# KiCad board Commodore-Vic-20.kicad_pcb
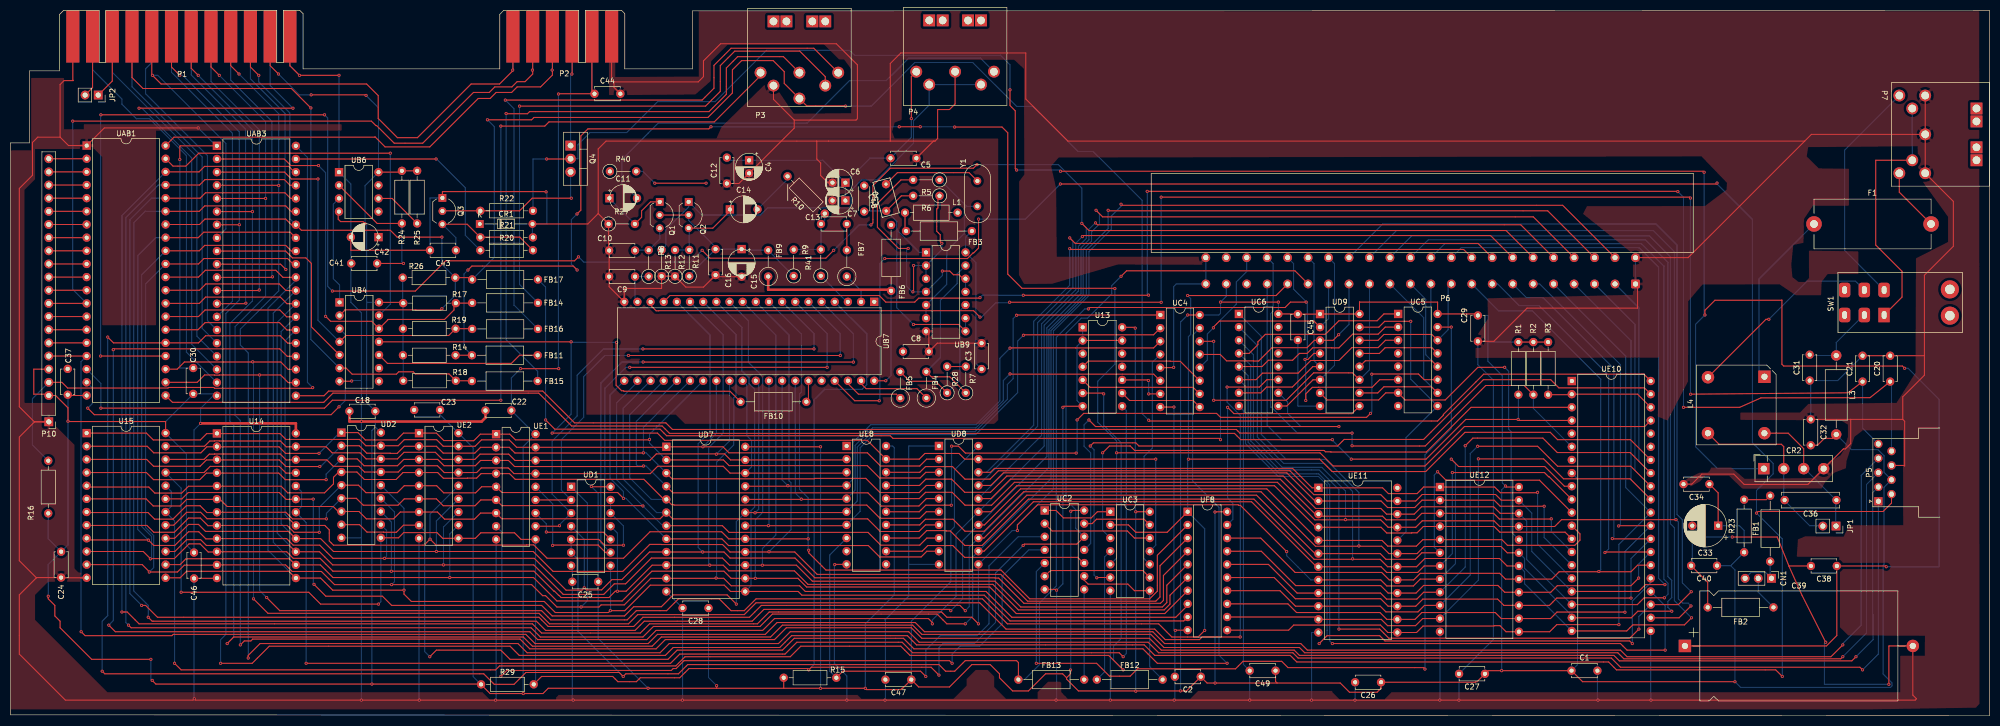
[diagram p0: board, top side]
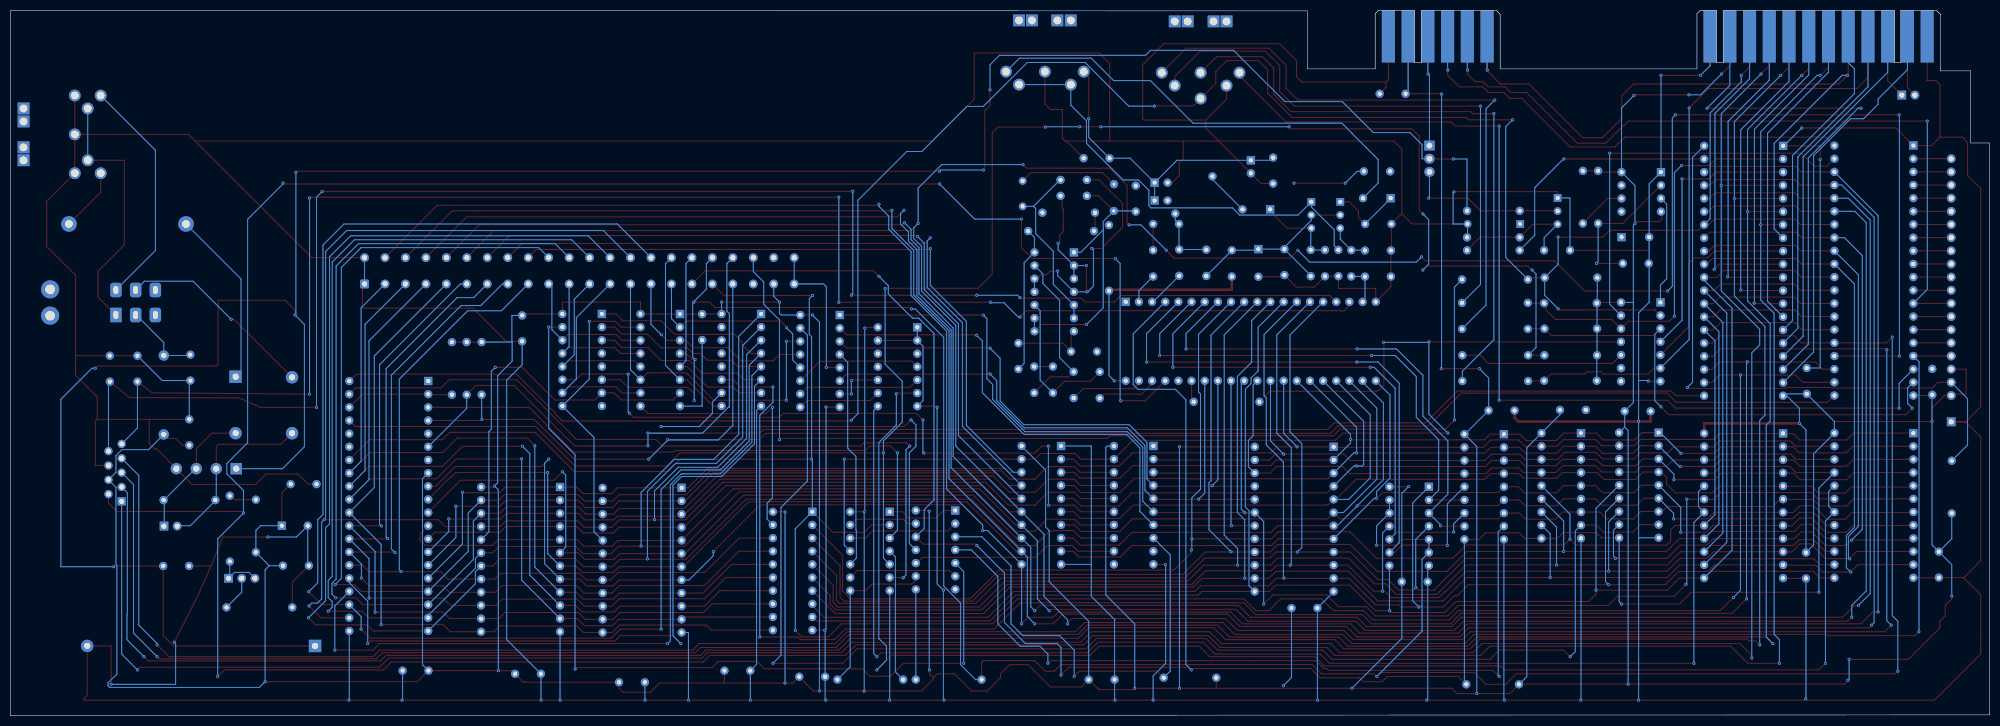
[diagram p1: board, bottom side, seen from below]

Outline 382.12 x 136.19 mm; copper layers: Top, Bottom. Coordinates in mm from the lower left corner of the outline.
Outline path: 9.52,124.89 9.52,124.51 3.66,124.51 3.66,110.59 0,110.59 0,0.15 382.12,0 382.12,136.14 131.72,136.09 131.72,124.89 118.62,124.89 ; 56.51,124.89 94.49,124.89

## Placement (name value [footprint] x y rotation side)
C1  100n  [C_Disc_D4.7mm_W2.5mm_P5.00mm]  301.4 8.69 0 top
C2  100n  [C_Disc_D4.7mm_W2.5mm_P5.00mm]  229.82 7.52 180 top
C3  100n  [C_Disc_D4.7mm_W2.5mm_P5.00mm]  187.5 66.93 90 top
C4  2u2  [CP_Radial_D5.0mm_P2.50mm]  142.62 107.24 270 top
C5  470n  [C_Disc_D4.7mm_W2.5mm_P5.00mm]  169.92 107.65 0 top
C6  470n  [CP_Radial_D5.0mm_P2.50mm]  161.21 102.92 180 top
C7  2u2  [CP_Radial_D5.0mm_P2.50mm]  161.21 99.47 180 top
C8  100n  [C_Disc_D4.7mm_W2.5mm_P5.00mm]  172.33 70.31 0 top
C9  100n  [C_Disc_D4.7mm_W2.5mm_P5.00mm]  120.6 84.79 180 top
C10  100n  [C_Disc_D4.7mm_W2.5mm_P5.00mm]  120.6 89.83 180 top
C11  1u  [CP_Radial_D5.0mm_P5.0mm]  115.67 99.92 0 top
C12  100n  [C_Disc_D4.7mm_W2.5mm_P5.00mm]  138.33 102.76 90 top
C13  220p  [C_Disc_D4.7mm_W2.5mm_P5.00mm]  156.49 94.95 0 top
C14  47u  [CP_Radial_D5.0mm_P5.0mm]  138.94 97.76 0 top
C15  10u  [CP_Radial_D5.0mm_P5.0mm]  141.17 90.07 270 top
C16  100n  [C_Disc_D4.7mm_W2.5mm_P5.00mm]  136.14 90.08 270 top
C18  100n  [C_Disc_D4.7mm_W2.5mm_P5.00mm]  70.46 58.78 180 top
C20  10n  [C_Disc_D4.7mm_W2.5mm_P5.00mm]  362.92 64.51 90 top
C21  10n  [C_Disc_D4.7mm_W2.5mm_P5.00mm]  357.58 64.51 90 top
C22  100n  [C_Disc_D4.7mm_W2.5mm_P5.00mm]  96.72 58.93 180 top
C23  100n  [C_Disc_D4.7mm_W2.5mm_P5.00mm]  82.96 59.03 180 top
C24  100n  [C_Disc_D4.7mm_W2.5mm_P5.00mm]  9.8 31.66 270 top
C25  100n  [C_Disc_D4.7mm_W2.5mm_P5.00mm]  113.49 25.86 180 top
C26  100n  [C_Disc_D4.7mm_W2.5mm_P5.00mm]  264.62 6.45 180 top
C27  100n  [C_Disc_D4.7mm_W2.5mm_P5.00mm]  284.68 8.08 180 top
C28  100n  [C_Disc_D4.7mm_W2.5mm_P5.00mm]  134.78 20.78 180 top
C29  100n  [C_Disc_D4.7mm_W2.5mm_P5.00mm]  283.31 77.28 270 top
C30  100n  [C_Disc_D4.7mm_W2.5mm_P5.00mm]  35.31 62.13 90 top
C31  220n  [C_Disc_D4.7mm_W2.5mm_P5.00mm]  347.37 64.71 90 top
C32  220n  [C_Disc_D4.7mm_W2.5mm_P5.00mm]  347.57 57.21 270 top
C33  100u  [CP_Radial_D8.0mm_P5.00mm]  329.71 36.68 180 top
C34  220n  [C_Disc_D4.7mm_W2.5mm_P5.00mm]  328.02 44.7 180 top
C36  220n  [C_Rect_L11.0mm_W2.8mm_P10.00mm_MKT]  352.54 41.62 180 top
C37  100n  [C_Disc_D4.7mm_W2.5mm_P5.00mm]  11.07 61.97 90 top
C38  100n  [C_Disc_D4.7mm_W2.5mm_P5.00mm]  352.61 28.91 180 top
C39  220u  [CP_Axial_L38.0mm_D21.0mm_P44.00mm_Horizontal]  323.29 13.46 0 top
C40  100n  [C_Disc_D4.7mm_W2.5mm_P5.00mm]  329.49 28.96 180 top
C41  100n  [C_Disc_D4.7mm_W2.5mm_P5.00mm]  70.82 87.33 180 top
C42  10u  [CP_Radial_D5.0mm_P5.0mm]  71.04 92.41 180 top
C43  10n  [C_Disc_D4.7mm_W2.5mm_P5.00mm]  86.02 89.87 180 top
C44  100n  [C_Disc_D4.7mm_W2.5mm_P5.00mm]  112.77 120.09 0 top
C45  100n  [C_Disc_D4.7mm_W2.5mm_P5.00mm]  248.56 77.53 270 top
C46  100n  [C_Disc_D4.7mm_W2.5mm_P5.00mm]  35.46 31.5 270 top
C47  100n  [C_Disc_D4.7mm_W2.5mm_P5.00mm]  173.94 6.96 180 top
C48  20P  [RV_Disc_D7mm_W3.4mm_P5mm]  169.05 102.63 285 top
C49  100n  [C_Disc_D4.7mm_W2.5mm_P5.00mm]  244.26 8.69 180 top
C50  15P  [C_Disc_D4.3mm_W1.9mm_P5.00mm]  164.85 102.35 270 top
CN1  Conn_01x03_Female  [PinHeader_1x03_P2.54mm_Vertical]  339.99 26.52 270 top
CR1  6v8  [D_DO-34_SOD68_P10.16mm_Horizontal]  90.63 94.95 0 top
CR2  DBA10B  [Diode_Bridge_Vishay_KBPM]  338.52 47.69 0 top
F1  1A  [Fuseholder_Cylinder-5x20mm_Stelvio-Kontek_PTF78_Horizontal_Open]  348.21 94.95 0 top
FB1  Ferrite_Bead_Small  [L_Axial_L7.0mm_D3.3mm_P12.70mm_Horizontal_Fastron_MICC]  339.75 29.77 90 top
FB2  Ferrite_Bead_Small  [L_Axial_L7.0mm_D3.3mm_P12.70mm_Horizontal_Fastron_MICC]  340.39 20.9 180 top
FB3  Ferrite_Bead_Small  [L_Axial_L7.0mm_D3.3mm_P12.70mm_Horizontal_Fastron_MICC]  185.62 93.57 180 top
FB4  Ferrite_Bead_Small  [L_Axial_L7.0mm_D3.3mm_P5.08mm_Vertical_Fastron_MICC]  176.83 61.33 90 top
FB5  Ferrite_Bead_Small  [L_Axial_L7.0mm_D3.3mm_P5.08mm_Vertical_Fastron_MICC]  171.81 61.32 90 top
FB6  Ferrite_Bead_Small  [L_Axial_L7.0mm_D3.3mm_P12.70mm_Horizontal_Fastron_MICC]  170.03 94.74 270 top
FB7  Ferrite_Bead_Small  [L_Axial_L7.0mm_D3.3mm_P5.08mm_Vertical_Fastron_MICC]  161.49 84.8 90 top
FB9  Ferrite_Bead_Small  [L_Axial_L7.0mm_D3.3mm_P5.08mm_Vertical_Fastron_MICC]  146.3 84.8 90 top
FB10  Ferrite_Bead_Small  [L_Axial_L7.0mm_D3.3mm_P12.70mm_Horizontal_Fastron_MICC]  153.67 60.6 180 top
FB11  Ferrite_Bead_Small  [L_Axial_L7.0mm_D3.3mm_P12.70mm_Horizontal_Fastron_MICC]  89.1 69.6 0 top
FB12  Ferrite_Bead_Small  [L_Axial_L7.0mm_D3.3mm_P12.70mm_Horizontal_Fastron_MICC]  209.75 6.96 0 top
FB13  Ferrite_Bead_Small  [L_Axial_L7.0mm_D3.3mm_P12.70mm_Horizontal_Fastron_MICC]  194.61 6.96 0 top
FB14  Ferrite_Bead_Small  [L_Axial_L7.0mm_D3.3mm_P12.70mm_Horizontal_Fastron_MICC]  101.85 79.71 180 top
FB15  Ferrite_Bead_Small  [L_Axial_L7.0mm_D3.3mm_P12.70mm_Horizontal_Fastron_MICC]  101.8 64.62 180 top
FB16  Ferrite_Bead_Small  [L_Axial_L7.0mm_D3.3mm_P12.70mm_Horizontal_Fastron_MICC]  101.85 74.68 180 top
FB17  Ferrite_Bead_Small  [L_Axial_L7.0mm_D3.3mm_P12.70mm_Horizontal_Fastron_MICC]  101.85 84.23 180 top
JP1  power  [PinSocket_1x02_P2.54mm_Vertical]  352.46 36.61 270 top
JP2  user  [PinSocket_1x02_P2.54mm_Vertical]  16.97 119.84 270 top
L1  2u2  [L_Axial_L6.6mm_D2.7mm_P10.16mm_Horizontal_Vishay_IM-2]  172.72 97.13 0 top
L3  2u  [L_Axial_L9.5mm_D4.0mm_P15.24mm_Horizontal_Fastron_SMCC]  352.5 69.55 270 top
L4  1m5  [Diode_Bridge_15.2x15.2x6.3mm_P10.9mm]  338.64 65.44 270 top
P1  User Port  [VC20_USERPORT]  9.52 124.89 0 top
P2  CONN_Cassette  [VC20_CASSETTE]  94.49 124.89 0 top
P3  SERIAL  [DIN-6]  152.41 126.75 270 top
P4  Audio / Video  [DIN-5]  181.92 127.38 270 top
P5  Controller Port  [DSUB-9_Male_Horizontal_P2.77x2.54mm_EdgePinOffset9.40mm]  360.63 41.39 90 top
P6  Expansion Port  [VC20_EXPANSIONPORT]  258.86 92 90 top
P7  POWER  [DIN-7]  372.59 112.21 180 top
P10  Keyboard  [PinHeader_1x21_P2.54mm_Vertical]  7.42 56.74 180 top
Q1  2SC1815  [TO-92_Inline_Wide]  125.37 99.21 270 top
Q2  2SC1959  [TO-92_Inline_Wide]  130.96 99.21 270 top
Q3  2SC1815  [TO-92_Inline_Wide]  83.41 99.97 270 top
Q4  2SD880  [TO-220-3_Vertical]  108.15 110.08 270 top
R1  2K2  [R_Axial_DIN0207_L6.3mm_D2.5mm_P10.16mm_Horizontal]  291.13 72.14 270 top
R2  2K2  [R_Axial_DIN0207_L6.3mm_D2.5mm_P10.16mm_Horizontal]  294.03 72.14 270 top
R3  2K2  [R_Axial_DIN0207_L6.3mm_D2.5mm_P10.16mm_Horizontal]  296.88 72.14 270 top
R5  330R  [R_Axial_DIN0207_L6.3mm_D2.5mm_P5.08mm_Vertical]  179.38 103.45 180 top
R6  330R  [R_Axial_DIN0207_L6.3mm_D2.5mm_P5.08mm_Vertical]  179.38 100.38 180 top
R7  560R  [R_Axial_DIN0207_L6.3mm_D2.5mm_P5.08mm_Vertical]  184.45 62.33 90 top
R8  1k  [R_Axial_DIN0207_L6.3mm_D2.5mm_P5.08mm_Vertical]  123.24 84.81 90 top
R9  510R  [R_Axial_DIN0207_L6.3mm_D2.5mm_P5.08mm_Vertical]  151.23 84.91 90 top
R10  1k  [R_Axial_DIN0207_L6.3mm_D2.5mm_P10.16mm_Horizontal]  157.23 96.95 135 top
R11  1k8  [R_Axial_DIN0207_L6.3mm_D2.5mm_P5.08mm_Vertical]  131.06 84.86 90 top
R12  27k  [R_Axial_DIN0207_L6.3mm_D2.5mm_P5.08mm_Vertical]  128.32 84.84 90 top
R13  270R  [R_Axial_DIN0207_L6.3mm_D2.5mm_P5.08mm_Vertical]  125.73 84.86 90 top
R14  180R  [R_Axial_DIN0207_L6.3mm_D2.5mm_P10.16mm_Horizontal]  75.79 69.6 0 top
R15  1k  [R_Axial_DIN0207_L6.3mm_D2.5mm_P10.16mm_Horizontal]  149.3 7.32 0 top
R16  10k  [R_Axial_DIN0207_L6.3mm_D2.5mm_P10.16mm_Horizontal]  7.32 39.07 90 top
R17  1K  [R_Axial_DIN0207_L6.3mm_D2.5mm_P10.16mm_Horizontal]  75.84 79.65 0 top
R18  1K  [R_Axial_DIN0207_L6.3mm_D2.5mm_P10.16mm_Horizontal]  75.84 64.67 0 top
R19  1K  [R_Axial_DIN0207_L6.3mm_D2.5mm_P10.16mm_Horizontal]  75.79 74.73 0 top
R20  1k  [R_Axial_DIN0207_L6.3mm_D2.5mm_P10.16mm_Horizontal]  90.73 89.87 0 top
R21  10k  [R_Axial_DIN0207_L6.3mm_D2.5mm_P10.16mm_Horizontal]  90.73 92.35 0 top
R22  1k  [R_Axial_DIN0207_L6.3mm_D2.5mm_P10.16mm_Horizontal]  90.73 97.49 0 top
R23  390R  [R_Axial_DIN0207_L6.3mm_D2.5mm_P10.16mm_Horizontal]  334.72 31.55 90 top
R24  220k  [R_Axial_DIN0207_L6.3mm_D2.5mm_P10.16mm_Horizontal]  75.59 105.21 270 top
R25  150k  [R_Axial_DIN0207_L6.3mm_D2.5mm_P10.16mm_Horizontal]  78.54 105.21 270 top
R26  1k  [R_Axial_DIN0207_L6.3mm_D2.5mm_P10.16mm_Horizontal]  75.74 84.58 0 top
R27  470  [R_Axial_DIN0207_L6.3mm_D2.5mm_P5.08mm_Vertical]  115.49 94.95 0 top
R28  560R  [R_Axial_DIN0207_L6.3mm_D2.5mm_P5.08mm_Vertical]  180.85 62.33 90 top
R29  1k  [R_Axial_DIN0207_L6.3mm_D2.5mm_P10.16mm_Horizontal]  90.88 6.05 0 top
R40  1k  [R_Axial_DIN0207_L6.3mm_D2.5mm_P5.08mm_Vertical]  115.74 105.11 0 top
R41  240  [R_Axial_DIN0207_L6.3mm_D2.5mm_P5.08mm_Vertical]  156.46 84.93 90 top
SW1  SW_DPST  [RockerSwitch_CuK_DPDT_E201J1AV2]  361.74 77.36 180 top
U13  74LS08  [DIP-14_W7.62mm]  207.02 74.99 0 top
U14  M58725  [DIP-24_W15.24mm]  39.88 54.51 0 top
U15  M58725  [DIP-24_W15.24mm]  14.73 54.56 0 top
UAB1  6522  [DIP-40_W15.24mm]  14.73 110.08 0 top
UAB3  6522  [DIP-40_W15.24mm]  39.88 110.03 0 top
UB4  74LS06  [DIP-14_W7.62mm]  63.55 79.81 0 top
UB6  LM555  [DIP-8_W7.62mm]  63.45 104.95 0 top
UB7  6560  [DIP-40_W15.24mm]  166.78 79.91 270 top
UB9  74LS02  [DIP-14_W7.62mm]  176.78 89.46 0 top
UC2  74LS04  [DIP-14_W7.62mm]  199.69 39.62 0 top
UC3  74LS02  [DIP-14_W7.62mm]  212.35 39.38 0 top
UC4  74LS138  [DIP-16_W7.62mm]  222 77.37 0 top
UC5  74LS138  [DIP-16_W7.62mm]  267.92 77.57 0 top
UC6  74LS138  [DIP-16_W7.62mm]  237.19 77.57 0 top
UD1  4066  [DIP-14_W7.62mm]  108.25 44.2 0 top
UD2  2114  [DIP-18_W7.62mm]  63.91 54.66 0 top
UD7  2332  [DIP-24_W15.24mm]  126.64 51.92 0 top
UD8  74LS245  [DIP-20_W7.62mm]  179.27 52.07 0 top
UD9  74LS133  [DIP-16_W7.62mm]  252.84 77.56 0 top
UE1  2114  [DIP-18_W7.62mm]  93.78 54.36 0 top
UE2  2114  [DIP-18_W7.62mm]  78.89 54.56 0 top
UE8  74LS245  [DIP-20_W7.62mm]  161.44 52.07 0 top
UE10  6502  [DIP-40_W15.24mm]  301.45 64.62 0 top
UE11  2364  [DIP-24_W15.24mm]  252.53 43.99 0 top
UE12  2364  [DIP-24_W15.24mm]  276 44.15 0 top
UF8  74LS245  [DIP-20_W7.62mm]  227.29 39.37 0 top
Y1  14.31818  [Crystal_HC18-U_Vertical]  186.69 98.35 90 top

## Library data of the parts
C1-C3 C8-C10 C12 C13 C16 C18 C20-C32 C34 C36-C38 C40 C41 C43-C47 C49 C50 = -: ki_fp_filters: C_*
C4-C7 C11 C14 C15 C33 C39 C42 = -: ki_fp_filters: CP_*
CN1 JP1 JP2 P5 = -: ki_fp_filters: Connector*:*_1x??_*
CR1 = -: ki_fp_filters: TO-???* *_Diode_* *SingleDiode* D_*
CR2 = -: Description: Diode bridge, +ve/AC/AC/-ve; ki_fp_filters: D*Bridge* D*Rectifier*
F1 = -: ki_fp_filters: *Fuse*
FB1-FB7 FB9-FB17 = -: ki_fp_filters: Inductor_* L_* *Ferrite*
L1 L3 L4 = -: ki_fp_filters: Choke_* *Coil* Inductor_* L_*
P1 P2 P6 P10 = -: ki_fp_filters: DIP*W15.24mm* SOIC*7.5x17.9mm*P1.27mm*
P3 P4 P7 = -: Datasheet: http://www.mouser.com/ds/2/18/40_c091_abd_e-75918.pdf; ki_fp_filters: DIN*
Q1 Q3 Q4 = -: Datasheet: https://media.digikey.com/pdf/Data%20Sheets/Toshiba%20PDFs/2SC1815.pdf; ki_fp_filters: TO?92*
Q2 = -: Datasheet: http://rtellason.com/transdata/2sc1941.pdf; ki_fp_filters: TO?92*
R1-R3 R5-R9 R11-R29 R40 R41 = -: ki_fp_filters: R_*
R10 = -: ki_fp_filters: Potentiometer*
SW1 = -: Description: Switch, dual pole double throw, separate symbols; ki_fp_filters: SW*DPDT*
U13 = -: Datasheet: http://www.ti.com/lit/gpn/sn74LS08; ki_fp_filters: DIP*W7.62mm*
U14 U15 = -: Datasheet: https://www.intel-vintage.info/intelmemory.htm; ki_fp_filters: DIP*W15.24mm*
UAB1 UAB3 = -: Datasheet: http://archive.6502.org/datasheets/mos_6522_preliminary_nov_1977.pdf; ki_fp_filters: DIP*W15.24mm*
UB4 = -: Datasheet: http://www.ti.com/lit/gpn/sn74LS06; ki_fp_filters: DIP*W7.62mm*
UB6 = -: Datasheet: http://www.ti.com/lit/ds/symlink/lm555.pdf; ki_fp_filters: SOIC*3.9x4.9mm*P1.27mm* DIP*W7.62mm* TSSOP*3x3mm*P0.65mm*
UB7 = -: Datasheet: http://archive.6502.org/datasheets/mos_6560_6561_vic.pdf; ki_fp_filters: DIP*W15.24mm*
UB9 UC3 = -: Datasheet: http://www.ti.com/lit/gpn/sn74ls02; ki_fp_filters: SO14* DIP*W7.62mm*
UC2 = -: Datasheet: http://www.ti.com/lit/gpn/sn74LS04; ki_fp_filters: DIP*W7.62mm* SSOP?14* TSSOP?14*
UC4-UC6 = -: Datasheet: http://www.ti.com/lit/gpn/sn74LS138; ki_fp_filters: DIP?16*
UD1 = -: Datasheet: http://www.ti.com/lit/ds/symlink/cd4066b.pdf; ki_fp_filters: DIP*W7.62mm*
UD2 UE1 UE2 = -: Datasheet: https://www.princeton.edu/~mae412/HANDOUTS/Datasheets/2114.pdf; ki_fp_filters: DIP*W7.62mm*
UD7 = -: Datasheet: http://archive.6502.org/datasheets/mos_2332_rom_feb_1980.pdf; ki_fp_filters: DIP*W7.62mm*
UD8 UE8 UF8 = -: Datasheet: http://www.ti.com/lit/gpn/sn74LS245; ki_fp_filters: DIP?20*
UD9 = -: Datasheet: http://www.ti.com/lit/gpn/sn74LS133; ki_fp_filters: DIP?16*
UE10 = -: Datasheet: http://archive.6502.org/datasheets/mos_6500_mpu_nov_1985.pdf; ki_fp_filters: DIP*W15.24mm*
UE11 UE12 = -: Datasheet: http://archive.6502.org/datasheets/mos_2364_rom_feb_1980.pdf; ki_fp_filters: DIP*W7.62mm*
Y1 = -: ki_fp_filters: Crystal*

## Footprints (pads in the part's own frame, mm; a bottom-side part is the same pattern mirrored in y, then rotated)
C_Disc_D4.3mm_W1.9mm_P5.00mm
  round 1.6 hole 0.8: 1(0,0) 2(5,0)
C_Disc_D4.7mm_W2.5mm_P5.00mm
  round 1.6 hole 0.8: 1(0,0) 2(5,0)
C_Rect_L11.0mm_W2.8mm_P10.00mm_MKT
  round 1.6 hole 0.8: 1(0,0) 2(10,0)
CP_Axial_L38.0mm_D21.0mm_P44.00mm_Horizontal
  rect 2.4x2.4 hole 1.2: 1(0,0)
  oval 2.4x2.4 hole 1.2: 2(44,0)
CP_Radial_D5.0mm_P2.50mm
  rect 1.6x1.6 hole 0.8: 1(0,0)
  round 1.6 hole 0.8: 2(2.5,0)
CP_Radial_D5.0mm_P5.0mm
  rect 1.6x1.6 hole 0.8: 1(-0.027,0)
  round 1.6 hole 0.8: 2(5.307,0)
CP_Radial_D8.0mm_P5.00mm
  rect 1.6x1.6 hole 0.8: 1(0,0)
  round 1.6 hole 0.8: 2(5,0)
Crystal_HC18-U_Vertical
  round 1.5 hole 0.8: 1(0,0) 2(4.9,0)
D_DO-34_SOD68_P10.16mm_Horizontal
  rect 1.5x1.5 hole 0.75: 1(0,0)
  oval 1.5x1.5 hole 0.75: 2(10.16,0)
DIN-5
  rect 2.286x2.286 hole 1.5: (-6.875,5.475) (-6.875,2.975) (-6.875,-1.925) (-6.875,-4.525)
  round 2.286 hole 1.5: 1(3.025,-7.025) 2(3.025,0.475) 3(3.025,7.975) 4(5.525,-4.525) 5(5.525,5.475)
DIN-6
  rect 2.286x2.286 hole 1.5: (-7.32,4.92) (-7.32,2.42) (-7.32,-2.58) (-7.32,-5.08)
  round 2.286 hole 1.5: 1(2.58,-7.58) 2(5.08,-5.08) 3(2.58,-0.08) 4(5.08,4.92) 5(2.58,7.42) 6(7.58,-0.08)
DIN-7
  rect 2.286x2.286 hole 1.5: (-6.985,4.96) (-6.985,2.46) (-6.985,-2.54) (-6.985,-5.04)
  round 2.286 hole 1.5: 1(2.915,-7.54) 2(2.915,-0.04) 3(2.915,7.46) 4(5.415,-5.04) 5(5.415,4.96) 6(7.915,-7.54) 7(7.915,7.46)
Diode_Bridge_15.2x15.2x6.3mm_P10.9mm
  rect 2.4x2.4 hole 1.2: 1(0,0)
  round 2.4 hole 1.2: 2(0.1,-10.9) 3(10.9,-10.9) 4(10.9,0)
Diode_Bridge_Vishay_KBPM
  rect 2.2x2.2 hole 1.2: 1(0,0)
  round 2.2 hole 1.2: 2(3.85,0) 3(7.7,0) 4(11.55,0)
DIP-8_W7.62mm
  rect 1.6x1.6 hole 0.8: 1(0,0)
  oval 1.6x1.6 hole 0.8: 2(0,-2.54) 3(0,-5.08) 4(0,-7.62) 5(7.62,-7.62) 6(7.62,-5.08) 7(7.62,-2.54) 8(7.62,0)
DIP-14_W7.62mm
  rect 1.6x1.6 hole 0.8: 1(0,0)
  oval 1.6x1.6 hole 0.8: 2(0,-2.54) 3(0,-5.08) 4(0,-7.62) 5(0,-10.16) 6(0,-12.7) 7(0,-15.24) 8(7.62,-15.24) 9(7.62,-12.7) 10(7.62,-10.16) 11(7.62,-7.62) 12(7.62,-5.08) 13(7.62,-2.54) 14(7.62,0)
DIP-16_W7.62mm
  rect 1.6x1.6 hole 0.8: 1(0,0)
  oval 1.6x1.6 hole 0.8: 2(0,-2.54) 3(0,-5.08) 4(0,-7.62) 5(0,-10.16) 6(0,-12.7) 7(0,-15.24) 8(0,-17.78) 9(7.62,-17.78) 10(7.62,-15.24) 11(7.62,-12.7) 12(7.62,-10.16) 13(7.62,-7.62) 14(7.62,-5.08) 15(7.62,-2.54) 16(7.62,0)
DIP-18_W7.62mm
  rect 1.6x1.6 hole 0.8: 1(0,0)
  oval 1.6x1.6 hole 0.8: 2(0,-2.54) 3(0,-5.08) 4(0,-7.62) 5(0,-10.16) 6(0,-12.7) 7(0,-15.24) 8(0,-17.78) 9(0,-20.32) 10(7.62,-20.32) 11(7.62,-17.78) 12(7.62,-15.24) 13(7.62,-12.7) 14(7.62,-10.16) 15(7.62,-7.62) 16(7.62,-5.08) 17(7.62,-2.54) 18(7.62,0)
DIP-20_W7.62mm
  rect 1.6x1.6 hole 0.8: 1(0,0)
  oval 1.6x1.6 hole 0.8: 2(0,-2.54) 3(0,-5.08) 4(0,-7.62) 5(0,-10.16) 6(0,-12.7) 7(0,-15.24) 8(0,-17.78) 9(0,-20.32) 10(0,-22.86) 11(7.62,-22.86) 12(7.62,-20.32) 13(7.62,-17.78) 14(7.62,-15.24) 15(7.62,-12.7) 16(7.62,-10.16) 17(7.62,-7.62) 18(7.62,-5.08) 19(7.62,-2.54) 20(7.62,0)
DIP-24_W15.24mm
  rect 1.6x1.6 hole 0.8: 1(0,0)
  oval 1.6x1.6 hole 0.8: 2(0,-2.54) 3(0,-5.08) 4(0,-7.62) 5(0,-10.16) 6(0,-12.7) 7(0,-15.24) 8(0,-17.78) 9(0,-20.32) 10(0,-22.86) 11(0,-25.4) 12(0,-27.94) 13(15.24,-27.94) 14(15.24,-25.4) 15(15.24,-22.86) 16(15.24,-20.32) 17(15.24,-17.78) 18(15.24,-15.24) 19(15.24,-12.7) 20(15.24,-10.16) 21(15.24,-7.62) 22(15.24,-5.08) 23(15.24,-2.54) 24(15.24,0)
DIP-40_W15.24mm
  rect 1.6x1.6 hole 0.8: 1(0,0)
  oval 1.6x1.6 hole 0.8: 2(0,-2.54) 3(0,-5.08) 4(0,-7.62) 5(0,-10.16) 6(0,-12.7) 7(0,-15.24) 8(0,-17.78) 9(0,-20.32) 10(0,-22.86) 11(0,-25.4) 12(0,-27.94) 13(0,-30.48) 14(0,-33.02) 15(0,-35.56) 16(0,-38.1) 17(0,-40.64) 18(0,-43.18) 19(0,-45.72) 20(0,-48.26) 21(15.24,-48.26) 22(15.24,-45.72) 23(15.24,-43.18) 24(15.24,-40.64) 25(15.24,-38.1) 26(15.24,-35.56) 27(15.24,-33.02) 28(15.24,-30.48) 29(15.24,-27.94) 30(15.24,-25.4) 31(15.24,-22.86) 32(15.24,-20.32) 33(15.24,-17.78) 34(15.24,-15.24) 35(15.24,-12.7) 36(15.24,-10.16) 37(15.24,-7.62) 38(15.24,-5.08) 39(15.24,-2.54) 40(15.24,0)
DSUB-9_Male_Horizontal_P2.77x2.54mm_EdgePinOffset9.40mm
  rect 1.6x1.6 hole 1: 1(0,0)
  round 1.6 hole 1: 2(2.77,0) 3(5.54,0) 4(8.31,0) 5(11.08,0) 6(1.385,-2.54) 7(4.155,-2.54) 8(6.925,-2.54) 9(9.695,-2.54)
Fuseholder_Cylinder-5x20mm_Stelvio-Kontek_PTF78_Horizontal_Open
  round 3 hole 1.5: 1(0,0) 2(22.6,0)
L_Axial_L6.6mm_D2.7mm_P10.16mm_Horizontal_Vishay_IM-2
  round 1.6 hole 0.8: 1(0,0)
  oval 1.6x1.6 hole 0.8: 2(10.16,0)
L_Axial_L7.0mm_D3.3mm_P5.08mm_Vertical_Fastron_MICC
  round 1.6 hole 0.8: 1(0,0)
  oval 1.6x1.6 hole 0.8: 2(5.08,0)
L_Axial_L7.0mm_D3.3mm_P12.70mm_Horizontal_Fastron_MICC
  round 1.6 hole 0.8: 1(0,0)
  oval 1.6x1.6 hole 0.8: 2(12.7,0)
L_Axial_L9.5mm_D4.0mm_P15.24mm_Horizontal_Fastron_SMCC
  round 2 hole 1: 1(0,0)
  oval 2x2 hole 1: 2(15.24,0)
PinHeader_1x03_P2.54mm_Vertical
  rect 1.7x1.7 hole 1: 1(0,0)
  oval 1.7x1.7 hole 1: 2(0,-2.54) 3(0,-5.08)
PinHeader_1x21_P2.54mm_Vertical
  rect 1.7x1.7 hole 1: 1(0,0)
  oval 1.7x1.7 hole 1: 2(0,-5.08) 3(0,-7.62) 4(0,-10.16) 5(0,-12.7) 6(0,-15.24) 7(0,-17.78) 8(0,-20.32) 9(0,-22.86) 10(0,-25.4) 11(0,-27.94) 12(0,-30.48) 13(0,-33.02) 14(0,-35.56) 15(0,-38.1) 16(0,-40.64) 17(0,-43.18) 18(0,-45.72) 19(0,-48.26) 20(0,-50.8)
PinSocket_1x02_P2.54mm_Vertical
  rect 1.7x1.7 hole 1: 1(0,0)
  oval 1.7x1.7 hole 1: 2(0,-2.54)
R_Axial_DIN0207_L6.3mm_D2.5mm_P5.08mm_Vertical
  round 1.6 hole 0.8: 1(0,0)
  oval 1.6x1.6 hole 0.8: 2(5.08,0)
R_Axial_DIN0207_L6.3mm_D2.5mm_P10.16mm_Horizontal
  round 1.6 hole 0.8: 1(0,0)
  oval 1.6x1.6 hole 0.8: 2(10.16,0)
RockerSwitch_CuK_DPDT_E201J1AV2
  round 3.5 hole 1.85: (-12.7,0.125) (-12.7,-4.95)
  rect 2.2x2.8 hole 0.95x1.55: 1(0,0)
  rrect 2.2x2.8 hole 0.95x1.55: 2(3.81,0) 3(7.62,0) 4(0,-4.83) 5(3.81,-4.83) 6(7.62,-4.83)
RV_Disc_D7mm_W3.4mm_P5mm
  round 1.6 hole 0.6: 1(0,0) 2(5,-1.3)
TO-92_Inline_Wide
  rect 1.5x1.5 hole 0.8: 1(0,0)
  round 1.5 hole 0.8: 2(2.54,0) 3(5.08,0)
TO-220-3_Vertical
  rect 1.905x2 hole 1.1: 1(0,0)
  oval 1.905x2 hole 1.1: 2(2.54,0) 3(5.08,0)
VC20_CASSETTE
  rect 2.524x10 smd: 1(21.59,6.223) 2(17.78,6.223) 3(13.97,6.223) 4(10.16,6.223) 5(6.35,6.223) 6(2.54,6.223)
  rect 2.524x10 smd far side: A(21.59,6.223) B(17.78,6.223) C(13.97,6.223) D(10.16,6.223) E(6.35,6.223) F(2.54,6.223)
VC20_EXPANSIONPORT
  rrect 1.7x1.7 hole 1: 1(-8.636,-54.883)
  round 1.7 hole 1: 2(-8.636,-50.933) 3(-8.636,-46.983) 4(-8.636,-43.033) 5(-8.636,-39.083) 6(-8.636,-35.133) 7(-8.636,-31.183) 8(-8.636,-27.233) 9(-8.636,-23.283) 10(-8.636,-19.333) 11(-8.636,-15.383) 12(-8.636,-11.433) 13(-8.636,-7.483) 14(-8.636,-3.533) 15(-8.636,0.417) 16(-8.636,4.367) 17(-8.636,8.317) 18(-8.636,12.267) 19(-8.636,16.217) 20(-8.636,20.167) 21(-8.636,24.117) 22(-8.636,28.067) A(-3.556,-54.883) B(-3.556,-50.933) C(-3.556,-46.983) D(-3.556,-43.033) E(-3.556,-39.083) F(-3.556,-35.133) H(-3.556,-31.183) J(-3.556,-27.233) K(-3.556,-23.283) L(-3.556,-19.333) M(-3.556,-15.383) N(-3.556,-11.433) P(-3.556,-7.483) R(-3.556,-3.533) S(-3.556,0.417) T(-3.556,4.367) U(-3.556,8.317) V(-3.556,12.267) W(-3.556,16.217) X(-3.556,20.167) Y(-3.556,24.117) Z(-3.556,28.067)
VC20_USERPORT
  rect 2.524x10 smd: 1(44.45,6.223) 2(40.64,6.223) 3(36.83,6.223) 4(33.02,6.223) 5(29.21,6.223) 6(25.4,6.223) 7(21.59,6.223) 8(17.78,6.223) 9(13.97,6.223) 10(10.16,6.223) 11(6.35,6.223) 12(2.54,6.223)
  rect 2.524x10 smd far side: A(44.45,6.223) B(40.64,6.223) C(36.83,6.223) D(33.02,6.223) E(29.21,6.223) F(25.4,6.223) H(21.59,6.223) J(17.78,6.223) K(13.97,6.223) L(10.16,6.223) M(6.35,6.223) N(2.54,6.223)
